# KiCad board Video Board - Memory.kicad_pcb (continued)
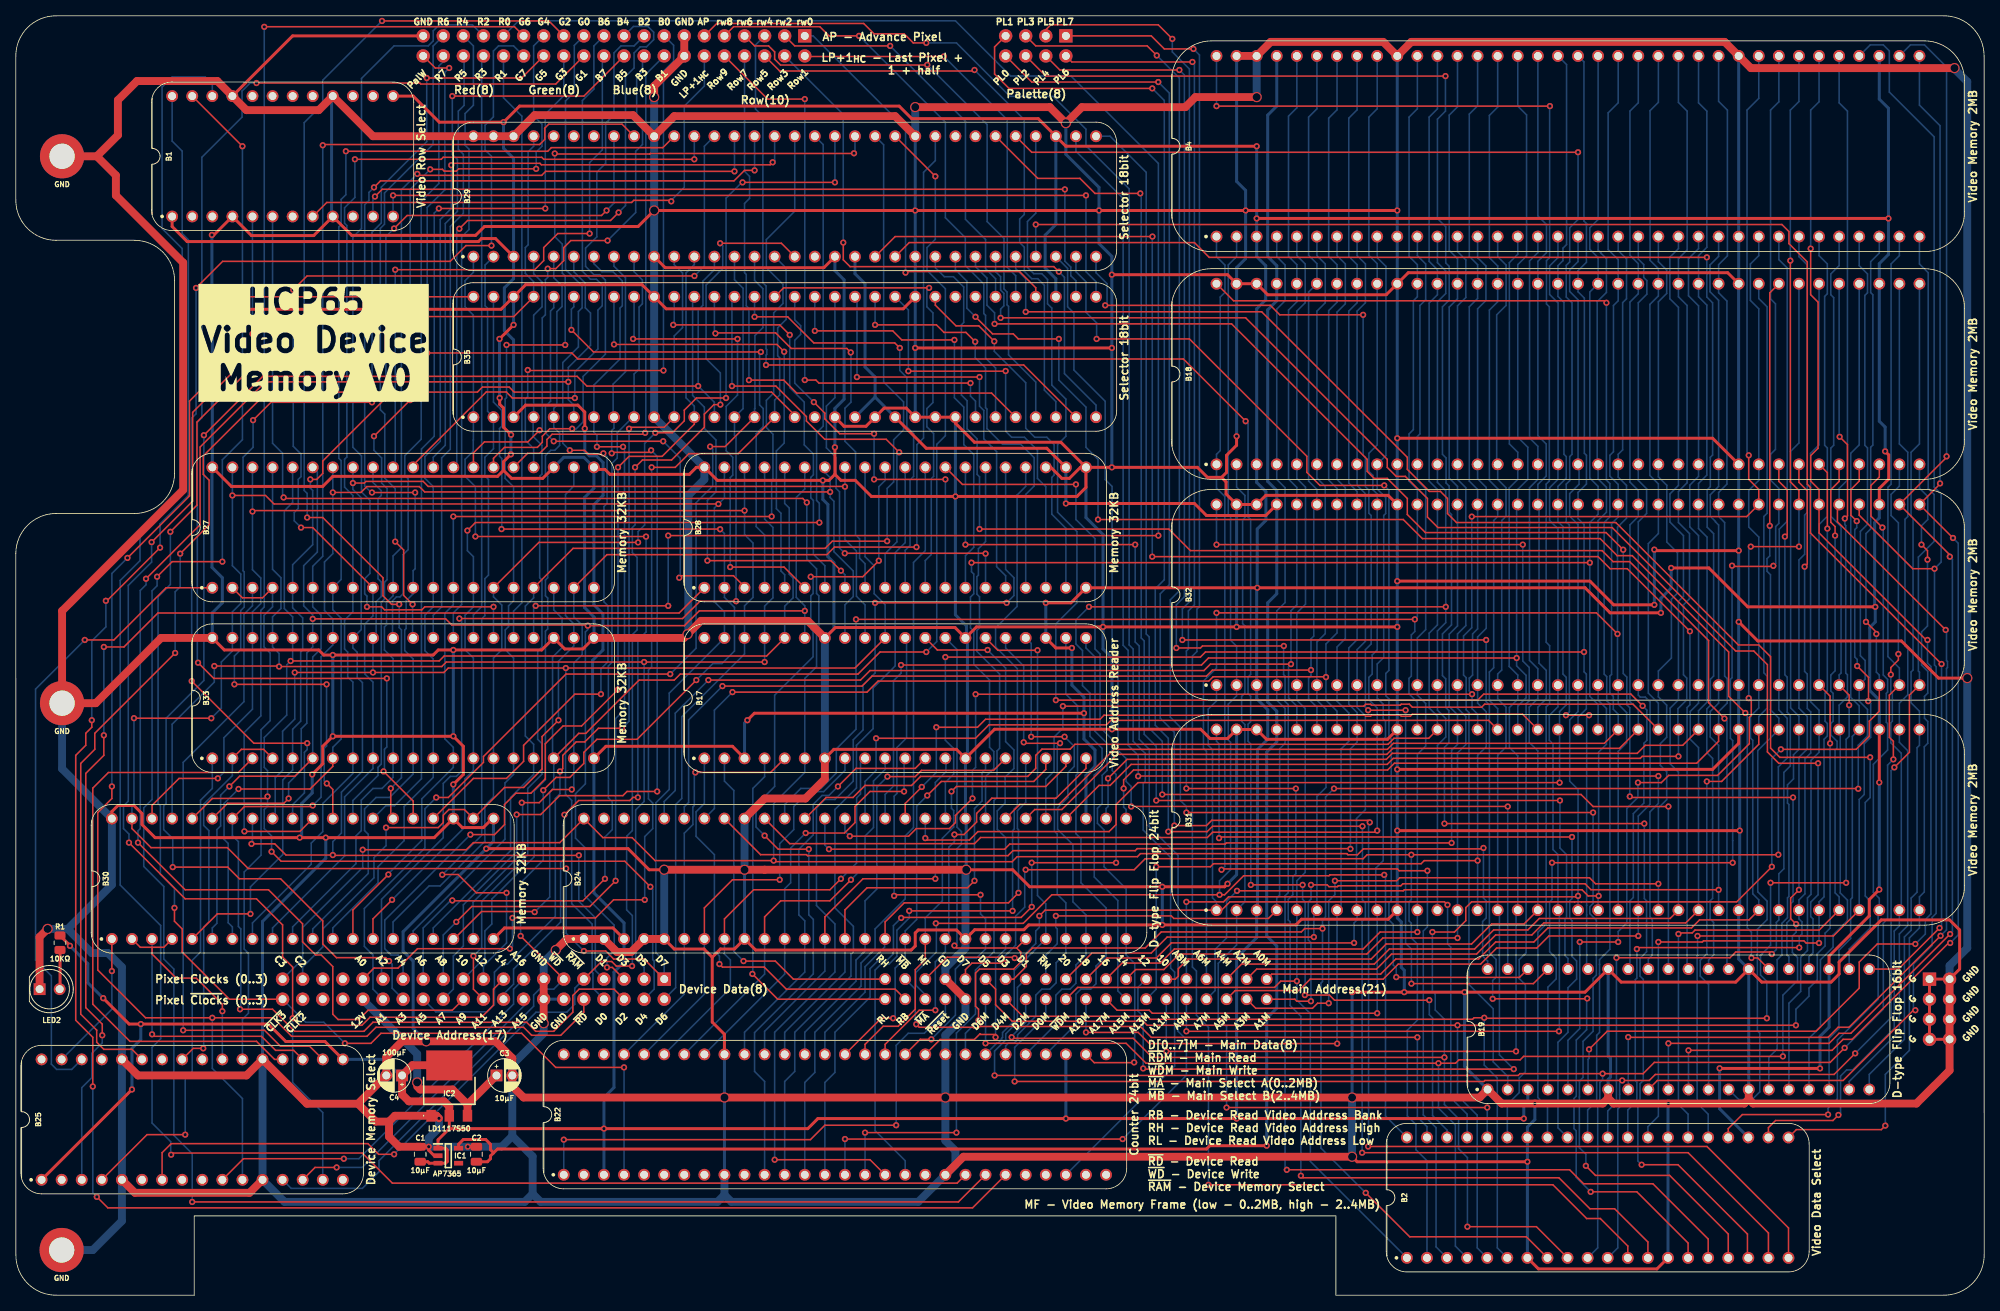
[diagram p0: board, top side]
## Routing (per net, layer and track width the routed paths; a pad name or vN(x,y) marks a point on that pad's centre or on a via; arc(x,y) is an arc through that point) (continued)
/DD6: length 188.1
  Top w0.2: v1(29.93,99.19) 30.04,99.3 v1(92.16,99.3) ; B30.38 17.23,61.99 20.64,65.41 25.54,65.41 v1(25.55,65.41)
  Bottom w0.2: v1(25.55,65.41) 26.32,66.18 26.32,70.56 29.93,74.17 B33.38 29.93,86.49 30.98,87.54 30.98,90.77 29.93,91.82 v1(29.93,99.19) B27.38 ; B28.38 v1(92.16,99.3) 92.16,96.27 93.23,95.19 93.23,88.32 92.16,87.25 B17.38 92.16,81.15 84.22,73.22 84.22,62.88 83.45,62.1 83.45,38.92 J4.2
/DD7: length 269.3
  Top w0.2: B30.39 14.69,59.06 17.1,56.64 26.75,56.64 29.4,54 v1(69.6,54) ; v1(24.72,73.03) v1(14.94,73.03) ; J4.1 79.46,42.55 75.62,42.55 74.6,43.56 v1(71.84,43.56) ; v1(88.85,100.14) 32.66,100.14 31.58,101.22 v1(27.39,101.22)
  Bottom w0.2: B28.39 89.62,100.91 v1(88.85,100.14) 88.35,99.64 88.35,87.76 89.62,86.49 B17.39 82.63,76.2 82.63,64.01 80.95,62.32 80.95,43.34 82,42.29 J4.1 ; B27.39 v1(27.39,101.22) 27.39,92.33 28.45,91.27 28.45,87.55 27.39,86.49 B33.39 27.39,81.53 25.99,80.14 25.99,74.3 v1(24.72,73.03) ; v1(71.84,43.56) 69.6,45.8 v1(69.6,54) ; B30.39 14.69,61.98 14.94,62.23 v1(14.94,73.03)
/DM0: length 251.4
  Top w0.2: v1(232.62,30.61) 229.95,27.94 207.35,27.94 206.59,27.18 v1(203.16,27.18) 185.8,27.18 185.67,27.05 v1(126.32,27.05) ; v1(237.57,66.8) 239.48,68.71 239.48,75.95 B32.36
  Bottom w0.2: B32.36 240.75,78.86 240.62,78.99 240.62,93.42 242.6,95.41 242.6,101.35 241.85,102.1 241.85,129.41 240.75,130.52 B4.36 ; v1(237.57,66.8) 237.16,66.39 237.16,35.15 v1(232.62,30.61) ; v1(126.32,27.05) 126.32,31.37 130.26,35.31 J2.24 ; v1(203.16,27.18) 202.83,26.85 202.83,25.43 202.83,23.8 202.6,23.57 202.6,5.99 B2.11
/DM1: length 254
  Top w0.2: v1(123.78,27.81) 190.01,27.81 190.23,28.04 v1(200.68,28.04) 205.8,28.04 207.22,29.46 229.45,29.46 v1(231.29,31.31) ; v1(237.45,67.82) 237.45,70.1 236.94,70.61 236.94,75.95 B32.35
  Bottom w0.2: v1(200.68,28.04) 200.68,27.27 200.33,26.92 200.33,24.1 200.06,23.83 200.06,5.99 B2.10 ; B32.35 238.21,79.38 236.76,80.83 236.76,102.24 237.16,102.64 237.16,130.52 238.21,131.57 B4.35 ; v1(237.45,67.82) 236.72,67.09 236.72,47.63 236.18,47.08 236.18,36.2 v1(231.29,31.31) ; v1(123.78,27.81) 123.78,30.9 125.19,32.31 125.19,33.08 126.67,34.55 126.67,38.95 J2.25
/DM2: length 254.7
  Top w0.2: v1(222.08,54.23) 217.64,49.78 198.01,49.78 184.11,49.78 183.38,49.06 183.38,47.41 181.94,45.96 v1(179.15,45.96) ; B2.9 192.3,8.67 v1(183.58,8.67) ; v1(235.3,83.69) 235.3,83.9 v1(233.99,85.22) ; B32.34 235.67,73.91 234.4,72.64 234.4,70.74 232.75,69.09 v1(223.22,69.09) ; v1(180.67,30.1) 143.72,30.1 141.31,32.51 126.08,32.51 v1(125.94,32.65)
  Bottom w0.2: v1(223.22,69.09) 222.08,67.95 v1(222.08,54.23) ; v1(179.15,45.96) 179.15,38.46 179.51,38.1 179.51,36.09 180.67,34.93 180.67,24.14 182.46,22.35 182.46,18.54 183.58,17.42 v1(183.58,8.67) ; v1(125.94,32.65) 125.94,32.77 127.72,34.54 J2.26 ; B32.34 235.67,78.49 235.3,78.86 v1(235.3,83.69) ; B4.34 235.67,131.9 234.58,130.81 234.58,126.9 234.86,126.62 234.86,107.59 234.58,107.32 234.58,96.99 233.99,96.39 v1(233.99,85.22)
/DM3: length 263
  Top w0.2: v1(166.71,64.12) 232.98,64.12 v1(233.01,64.09) ; J2.27 126.2,40.01 127.8,41.61 127.8,43.18 128.56,43.94 142.83,43.94 144.86,45.97 162.57,45.97 162.99,46.39 v1(165.25,46.39) ; B2.8 191.04,7.39 176.28,7.39 v1(170.72,12.95)
  Bottom w0.2: v1(166.71,64.12) 165.64,63.05 165.64,47.88 165.25,47.49 v1(165.25,46.39) 165.25,39.69 165.06,39.5 165.06,18.62 v1(170.72,12.95) ; v1(233.01,64.09) 233.01,69.6 234.18,70.77 234.18,74.13 233.13,75.18 B32.33 233.88,77.97 233.88,80.33 233.28,80.94 233.28,96.67 234.18,97.57 234.18,107.23 233.84,107.57 233.84,126.53 234.18,126.87 234.18,129.25 233.13,130.3 B4.33
/DM4: length 240.4
  Top w0.2: J2.28 127.34,35.31 143.09,35.31 143.47,34.93 184.23,34.93 184.42,35.11 v1(185.71,35.11) 185.77,35.05 v1(221.45,35.05) ; B32.32 231.86,75.95 v1(231.86,74.68) ; v1(231.48,52.2) v1(221.92,52.2)
  Bottom w0.2: v1(231.48,52.2) 231.48,70.36 231.86,70.74 v1(231.86,74.68) ; v1(221.92,52.2) 221.92,44.29 220.65,43.02 220.65,40.51 221.45,39.72 v1(221.45,35.05) ; B2.6 187.36,5.99 187.36,27.48 185.71,29.13 v1(185.71,35.11) ; B4.32 230.59,130.3 229.54,129.25 229.54,126.62 229.9,126.25 229.9,107.57 229.54,107.2 229.54,98.59 230.83,97.29 230.83,78.74 230.59,78.5 B32.32
/DM5: length 240.4
  Top w0.2: J2.29 123.91,38.74 123.91,36.76 126,34.67 142.58,34.67 143.09,34.16 v1(182.33,34.16) v1(225.13,34.16) ; v1(229.45,69.84) 229.45,75.82 B32.31
  Bottom w0.2: v1(229.45,69.84) 229.45,46.45 228.81,45.81 228.81,44.2 227.83,43.22 227.83,39.91 226.78,38.86 226.78,37.85 225.13,36.2 v1(225.13,34.16) ; B32.31 228.05,97.54 229.1,98.59 229.1,107.23 228.76,107.57 228.76,126.41 229.1,126.75 229.1,130.52 228.05,131.57 B4.31 ; B2.5 184.82,5.99 184.82,22.78 182.33,25.27 v1(182.33,34.16)
/DM6: length 241.4
  Top w0.2: v1(223.48,30.23) 190.69,30.23 190.25,29.79 182.51,29.79 182.08,29.36 v1(179.92,29.36) 142.94,29.36 140.42,31.88 v1(122.64,31.88) ; v1(225.15,46.96) 225.15,46.96 224.46,47.66 224.46,50.26 v1(225.51,51.31)
  Bottom w0.2: v1(179.92,29.36) 179.92,29.36 179.92,23.68 182.06,21.55 182.06,6.21 B2.4 ; v1(225.15,46.96) 225.15,45.94 224.68,45.47 224.68,43.38 225.33,42.72 225.33,39.83 223.48,37.97 v1(223.48,30.23) ; v1(122.64,31.88) J2.30 ; B4.30 225.51,131.45 226.56,130.4 226.56,99.06 226.22,98.73 226.22,93.77 225.51,93.06 B32.30 225.51,74.3 226.56,73.25 226.56,69.12 225.51,68.07 v1(225.51,51.31)
/DM7: length 248.5
  Top w0.2: v1(222.9,55.75) 222.89,55.74 v1(176.49,55.74) 170.89,55.74 170.39,55.25 142.83,55.25 141.44,53.85 v1(127.71,53.85) ; v1(125.05,42.03) 120.92,42.03 120.1,41.21 J2.31
  Bottom w0.2: v1(125.05,42.03) 125.05,42.9 126.44,44.29 126.44,47.97 127.59,49.12 127.59,53.73 v1(127.71,53.85) ; B4.29 222.97,131.06 224.02,130.01 224.02,97.95 223.02,96.95 223.02,77.27 ; v1(176.49,55.74) 176.49,50.07 176.2,49.78 176.2,47.37 176.49,47.08 176.49,45.21 177.25,44.45 177.25,34.8 175.98,33.53 175.98,22.68 177.07,21.59 177.07,18.42 178.47,17.02 B2.2 ; v1(222.9,55.75) 222.9,66.86 224.02,67.98 224.02,73.02 222.97,74.07 B32.29
/DP0: length 100.8
  Top w0.2: v1(241.77,93.09) 241.77,94.23 v1(241,95) ; B2.21 225.18,20.96 235.92,20.96 v1(236.43,21.46)
  Bottom w0.2: v1(241,95) 241,97.38 241.8,98.17 241.8,101.09 240.75,102.14 B18.36 ; v1(236.43,21.46) 236.43,27.94 239.48,30.99 239.48,45.21 240.75,46.48 B31.36 240.75,50.42 241.36,51.03 241.36,69.41 241.8,69.85 241.8,72.61 241.38,73.03 241.38,75.79 241.8,76.2 241.8,78.96 241.02,79.74 241.02,83.95 241.77,84.7 v1(241.77,93.09)
/DP1: length 98.4
  Top w0.2: v1(238.08,81.15) 238.08,80.39 237.13,79.44 v1(237.13,78.55) ; v1(230.5,22.81) 229.8,22.11 222.55,22.11 221.65,21.21 B2.22
  Bottom w0.2: B18.35 238.21,102.4 237.16,101.35 237.16,98.68 238.08,97.76 v1(238.08,81.15) ; B31.35 238.21,46.74 237.56,46.09 237.56,33.77 232.3,28.51 231.54,28.51 230.77,27.74 230.77,23.07 v1(230.5,22.81) ; v1(237.13,78.55) 237.13,76.33 237.32,76.14 237.32,72.64 237.13,72.45 237.13,69.91 238.45,68.59 238.45,48.98
/DP2: length 101.7
  Top w0.2: v1(229.19,22.86) 218.35,22.86 216.57,21.08 B2.24 ; v1(236.06,97.16) 234.62,98.6 234.62,102.49 235.67,103.54 B18.34
  Bottom w0.2: v1(229.19,22.86) 229.19,23.67 230.37,24.85 230.37,32.29 235.52,37.45 235.52,48.59 ; B31.34 235.67,50.23 234.92,50.98 234.92,67.2 236.72,69 236.72,72.36 236.56,72.52 236.56,76.17 236.72,76.33 236.72,77.94 236.17,78.49 236.17,97.04 v1(236.06,97.16)
/DP3: length 106.6
  Top w0.2: B31.33 229.86,45.47 v1(212.68,45.47) ; v1(232.88,79.63) 234.31,78.2 234.31,75.22 v1(234.27,75.18) ; v1(232.82,97.97) 232.08,98.71 232.08,101.98 233.13,103.03 B18.33
  Bottom w0.2: B2.25 214.03,22.91 212.63,24.31 212.63,42.93 212.68,42.98 v1(212.68,45.47) ; B31.33 233.13,62.74 233.76,63.37 233.76,69.79 234.58,70.61 234.58,74.88 v1(234.27,75.18) ; v1(232.88,79.63) 232.88,80.47 232.57,80.77 232.57,96.9 232.82,97.15 v1(232.82,97.97)
/DP4: length 106
  Top w0.2: B31.32 228.07,46.21 212.37,46.21 212,45.85 210.4,45.85 v1(210.27,45.72) ; B18.32 230.59,103 229.54,101.95 229.54,97.82 230.08,97.28 v1(230.08,96.14)
  Bottom w0.2: v1(230.08,96.14) 230.08,79.03 229.54,78.49 229.54,76.47 229.83,76.18 229.83,72.64 229.54,72.36 229.54,70.9 230.33,70.11 230.33,69.21 230.08,68.97 230.08,50.93 230.59,50.42 B31.32 ; v1(210.27,45.72) 210.27,24.13 211.49,22.91 B2.26
/DP5: length 107.5
  Top w0.2: v1(228.05,44.58) 226.41,44.58 226.14,44.84 213.43,44.84 213.29,44.7 v1(207.73,44.7) ; B18.31 229.1,104.11 v1(229.1,97.03)
  Bottom w0.2: v1(207.73,44.7) 207.73,22.66 206.41,21.34 B2.28 ; v1(229.1,97.03) 229.1,76.49 228.81,76.2 228.81,72.64 229.1,72.36 229.1,70.77 228.68,70.35 228.68,50.41 228.05,49.78 B31.31 v1(228.05,44.58)
/DP6: length 108.1
  Top w0.2: v1(225.54,44) 205.19,44 v1(205.01,43.82) ; B18.30 225.51,102.87 226.56,101.82 226.56,92.54 v1(226.23,92.2)
  Bottom w0.2: v1(205.01,43.82) 205.01,40.13 204.81,39.93 204.81,27.18 205.01,26.98 205.01,24.59 203.87,23.44 B2.29 ; v1(226.23,92.2) 226.23,78.95 226.56,78.61 226.56,74.26 227,73.82 227,68.62 226.27,67.89 226.27,50.8 225.51,50.04 B31.30 225.51,47.63 225.89,47.24 225.89,45.72 225.54,45.37 v1(225.54,44)
/DP7: length 107
  Top w0.2: v1(202.43,42.71) 216.78,42.71 217.51,43.43 221.83,43.43 v1(222.08,43.18) ; B18.29 222.97,103 224.02,101.95 224.02,96.3 v1(223.73,96.01)
  Bottom w0.2: v1(222.08,43.18) 222.65,43.75 222.65,47.18 222.97,47.5 B31.29 222.97,53.34 223.6,53.98 223.6,66.17 224.42,66.98 224.42,73.39 224.02,73.79 224.02,78.23 223.73,78.52 v1(223.73,96.01) ; B2.30 201.33,23.32 202.43,24.42 v1(202.43,42.71)
/D~{RD}: length 214.7
  Top w0.2: B35.64 25.43,126.37 23.27,124.21 23.27,114.47 21.97,113.16 21.97,101.16 v1(14.12,93.31) ; J4.10 71.84,35.81 68.92,32.89 65.24,32.89 64.22,33.91 45.55,33.91 44.41,32.77 34.88,32.77 32.54,35.11 v1(24.85,35.11) 16.41,35.11 10.37,41.15 10.37,61.09 12.15,62.86 v1(12.15,64.39)
  Bottom w0.2: v1(12.15,64.39) 12.15,91.34 v1(14.12,93.31) ; B25.11 28.66,24.89 24.85,28.7 v1(24.85,35.11)
/D~{RD}+~{Device RAM 1}: length 76
  Top w0.2: B25.20 32.72,29.85 30.44,32.13 14.44,32.13 9.74,36.83 9.74,64.18 11.71,66.16 28.14,66.16 B33.3
/D~{RD}+~{Device RAM 2}: length 32.4
  Top w0.2: B25.19 35.14,30.99 32.85,30.99 31.07,32.77 17.48,32.77 v1(17.23,33.02)
  Bottom w0.2: B30.3 v1(17.23,33.02)
/D~{RD}+~{Device RAM 3}: length 78.8
  Top w0.2: v1(21.17,33.53) 31.45,33.53 33.47,31.52 37.15,31.52 B25.18
  Bottom w0.2: B27.3 29.93,87.26 28.85,86.18 28.85,75.12 21.17,67.44 v1(21.17,33.53)
/D~{WD}: length 182.2
  Top w0.2: v1(66.71,63.91) 68.33,65.53 70.06,65.53 71.84,67.31 71.84,68.71 73.49,70.36 78.57,70.36 v1(86.06,77.85) ; J4.11 v1(63.84,45.47) ; v1(89.07,96.94) 89.05,96.96 v1(61.43,96.96)
  Bottom w0.2: v1(86.06,77.85) 88.16,79.95 89.3,79.95 90.89,81.53 90.89,87.05 89.62,88.32 B28.2 89.62,96.4 v1(89.07,96.94) ; v1(63.84,45.47) 63.84,52.2 66.71,55.07 v1(66.71,63.91) ; v1(61.43,96.96) 61.46,97 61.46,105.88 61.17,106.17 61.17,109.69 61.46,109.98 61.46,111.98 60.41,113.03 B35.63 ; J4.11 68.03,38.74 66.23,38.74 65.49,37.99 65.49,36.58 45.93,17.02 45.93,15.62 43.83,13.52 34.82,13.52 B25.13
/D~{WD}+~{Device RAM 1}: length 48
  Top w0.2: B33.2 28.53,69.09 31.33,69.09 B33.4 ; B25.25 22.44,31.24 v1(23.71,31.24)
  Bottom w0.2: B33.2 27.39,65.76 23.76,62.13 23.76,59.46 24.42,58.8 24.42,47.27 23.76,46.61 23.76,31.3 v1(23.71,31.24)
/D~{WD}+~{Device RAM 2}: length 25.3
  Top w0.2: 17.23,44.04 18.72,44.04 B30.4 ; 17.23,44.04 17.23,43.18 20.28,40.13 22.82,40.13 26.12,36.83 v1(26.12,35.94) ; 17.23,44.04 15.74,44.04 B30.2
  Bottom w0.2: B25.23 v1(26.12,35.94)
/D~{WD}+~{Device RAM 3}: length 68.5
  Top w0.2: B27.4 31.2,88.27 28.66,88.27 B27.2
  Bottom w0.2: B27.4 32.47,87.12 31.39,86.04 31.39,82.06 32.16,81.28 32.16,72.72 31.01,71.57 31.01,55.69 28.88,53.56 28.88,43.82 29.42,43.27 29.42,35.69 28.66,34.93 B25.22
/Green0: length 120.5
  Top w0.2: v1(70.06,106.93) 71.92,106.93 72.42,106.43 74.18,106.43 v1(74.3,106.55) ; v1(74,76.07) 70.7,76.07 64.22,69.6 64.22,67.57 62.06,65.41 57.87,65.41 B30.24
  Bottom w0.2: J3.23 70.63,158.17 70.63,152.27 69.52,151.15 69.52,129.83 71.62,127.73 71.62,124.97 71.15,124.5 71.15,120.02 69.17,118.04 69.17,107.82 v1(70.06,106.93) ; v1(74,76.07) 74,79.27 74.89,80.16 74.89,87.25 74.38,87.76 74.38,99.81 74.77,100.2 74.77,106.08 v1(74.3,106.55)
/Green1: length 164.1
  Top w0.2: v1(46.5,66.29) 50.25,62.55 B30.25 ; v1(30.44,153.42) 51.09,153.42 51.21,153.29 68.28,153.29 J3.24 ; v1(23.05,80.05) 25.03,78.06 v1(46.92,78.06)
  Bottom w0.2: v1(46.5,66.29) 46.62,66.41 46.62,69.09 46.92,69.39 v1(46.92,78.06) ; v1(23.05,80.05) 22.96,80.14 22.96,110.49 23.53,111.06 23.53,144.02 28.61,149.1 28.61,152.4 29.62,153.42 v1(30.44,153.42)
/Green2: length 135.9
  Top w0.2: v1(47.42,64.14) 47.42,60.61 ; J3.25 67.41,161.28 v1(46.31,161.28) ; v1(36.84,98.43) 38.82,98.43 46.44,90.81 46.44,88.52 47.52,87.44 v1(48.48,87.44)
  Bottom w0.2: v1(36.84,98.43) 36.84,101.48 36.47,101.85 36.47,148.4 38.82,150.75 38.82,153.78 v1(46.31,161.28) ; v1(47.42,64.14) 48.77,65.49 48.77,84.2 48.48,84.49 v1(48.48,87.44)
/Green3: length 115
  Top w0.2: v1(66.96,137.54) v1(53.5,137.54)
  Bottom w0.2: J3.26 69.3,151.82 66.96,149.48 v1(66.96,137.54) ; v1(53.5,137.54) 52.92,136.96 52.92,108.71 51.3,107.1 51.3,65.36 47.89,61.95 46.79,61.95 B30.27
/Green4: length 119.3
  Top w0.2: v1(52.41,142.49) 53.96,142.49 54.19,142.26 55.71,142.26 56,142.56 v1(65.81,142.56) ; v1(49.87,113.28) v1(45.3,108.71)
  Bottom w0.2: v1(65.81,142.56) 65.81,144.68 66.54,145.42 66.54,148.21 65.49,149.26 65.49,158.12 J3.27 ; B30.28 42.63,62.61 45.8,65.79 45.8,66.8 46.22,67.22 46.22,87.7 46.62,88.1 46.62,90.22 46.95,90.55 46.95,102.11 46.26,102.8 46.26,105.97 45.3,106.93 v1(45.3,108.71) ; v1(49.87,113.28) 49.87,139.95 v1(52.41,142.49)
/Green5: length 139.6
  Top w0.2: v1(30.01,110.74) 32.27,113.01 v1(45.05,113.01) ; J3.28 63.97,154.05 v1(51.97,154.05) ; v1(39.33,64.77) 40.09,64.01 B30.29 ; v1(39.3,77.31) v1(27.64,77.31)
  Bottom w0.2: v1(27.64,77.31) 27.64,80.9 28.44,81.7 28.44,86.65 28.88,87.09 28.88,91.55 28.74,91.69 28.74,106.05 30.01,107.32 v1(30.01,110.74) ; v1(39.33,64.77) 39,65.1 39,69.22 39.3,69.52 v1(39.3,77.31) ; v1(45.05,113.01) 45.05,134.53 46.22,135.71 46.22,140.24 51.97,145.99 v1(51.97,154.05)
/Green6: length 145.5
  Top w0.2: v1(28.91,58.7) 35.93,58.7 B30.30 ; v1(31.42,160.53) 31.43,160.54 63.06,160.54 J3.29
  Bottom w0.2: v1(28.91,58.7) 28.87,58.74 28.87,71.21 30.99,73.32 30.99,86.67 31.42,87.1 v1(31.42,160.53)
/Green7: length 147.7
  Top w0.2: v1(22.79,127.48) 26.16,130.85 54.94,130.85 56.93,132.84 v1(60.16,132.84) ; v1(36.85,69.86) 30.1,69.86 v1(22.24,77.72)
  Bottom w0.2: B30.31 35.01,62.08 36.5,63.57 36.5,68.71 36.85,69.06 v1(36.85,69.86) ; J3.30 62.95,158.12 61.04,158.12 60.4,157.47 60.4,149.14 59.34,148.08 59.34,144.96 60.16,144.15 v1(60.16,132.84) ; v1(22.24,77.72) 22.24,111 22.79,111.55 v1(22.79,127.48)
/LA0: length 103.7
  Top w0.2: v1(135.34,139.19) v1(47.71,139.19)
  Bottom w0.2: B35.33 136.61,128.27 135.34,129.54 v1(135.34,139.19) ; v1(47.71,139.19) B1.12
/LA1: length 104.4
  Top w0.2: v1(132.67,139.95) 132.65,139.97 46.34,139.97 v1(45.42,139.05)
  Bottom w0.2: B1.11 45.17,138.8 v1(45.42,139.05) ; v1(132.67,139.95) 132.67,130.87 133.42,130.12 133.42,129.03 134.07,128.38 B35.34
/Last Pixel+1 _{HALF CYCLE}: length 66.4
  Top w0.2: B1.8 39.33,138.3 77.88,138.3 78.15,138.57 82.77,138.57 v1(82.89,138.44)
  Bottom w0.2: v1(82.89,138.44) 82.89,138.57 84.54,140.22 84.54,150.5 87.08,153.04 J3.12
/Load Address Bank: length 254.3
  Top w0.2: v1(19.64,17.78) 19.85,17.99 43.81,17.99 47.62,14.19 119.05,14.19 120.1,15.24
  Bottom w0.2: B1.22 24.85,153.29 23.96,154.18 19.77,154.18 18.5,152.91 18.5,135 21.04,132.46 21.04,101.53 15.71,96.19 15.71,92.96 13.2,90.46 13.2,51.91 18.32,46.79 18.32,32.46 17.23,31.37 17.23,21.79 19.59,19.43 19.59,17.83 v1(19.64,17.78)
/Load Address High: length 255.8
  Top w0.2: 122.64,15.24 119.2,11.8 v1(22.31,11.8) ; v1(17.86,90.93) 19.77,92.84 v1(26.12,92.84) ; v1(28.66,145.42) B1.23
  Bottom w0.2: v1(28.66,145.42) 28.66,108.27 26.12,105.73 v1(26.12,92.84) ; v1(22.31,11.8) 22.31,17.91 19.99,20.23 19.99,41.28 18.72,42.55 18.72,51.72 16.18,54.26 16.18,61.69 17.23,62.74 17.23,89.15 17.86,89.79 v1(17.86,90.93)
/Load Address Low: length 264.5
  Top w0.2: v1(18.25,94.62) 11.52,87.88 v1(11.39,87.88) ; v1(10.24,12.45) 11.64,11.05 120.99,11.05 125.18,15.24 ; v1(9.61,72.77) 9.61,71.88 8.85,71.12 8.85,69.6 7.58,68.33 7.58,34.8 9.74,32.64 v1(9.74,26.42)
  Bottom w0.2: v1(11.39,87.88) 11.39,84.58 9.61,82.8 v1(9.61,72.77) ; B1.24 19.77,146.07 21.04,144.8 21.04,134.37 21.82,133.59 21.82,101.21 18.25,97.64 v1(18.25,94.62) ; v1(9.74,26.42) 9.74,12.95 v1(10.24,12.45)
/Memory Frame: length 131.3
  Top w0.2: B31.1 130.17,48.73 v1(129.45,48.01) ; v1(126.32,42.67) 126.22,42.78 117.79,42.78 J2.35 ; v1(181.06,49.4) 180.68,49.78 153.54,49.78 152.49,48.73
  Bottom w0.2: B31.1 151.85,49.78 151.34,50.29 151.34,69.05 150.8,69.6 150.8,74.17 151.85,75.22 B32.1 ; B2.37 183.55,22.91 181.48,24.98 181.48,44.04 181.07,44.45 181.07,49.39 v1(181.06,49.4) ; v1(126.32,42.67) 127.15,42.67 128.99,44.51 128.99,46.1 129.45,46.56 v1(129.45,48.01)
/M~{RD}: length 125
  Top w0.2: B31.4 158.42,47.68 146.45,47.68 146.13,48.01 v1(131.53,48.01)
  Bottom w0.2: B4.4 159.47,131.45 160.52,130.39 160.52,125.86 159.47,124.8 B18.4 159.47,103.25 160.52,102.2 160.52,87.67 159.47,86.61 B32.4 159.47,75.31 160.52,74.26 160.52,69.85 159.83,69.16 159.83,50.64 159.47,50.28 B31.4 ; v1(131.53,48.01) 131.53,46.54 131.71,46.36 131.71,44.48 130.26,43.03 J2.23
/M~{WD}: length 167.8
  Top w0.2: v1(162.01,39.75) 159.98,39.75 159.18,38.95 134.29,38.95 J2.22
  Bottom w0.2: B4.5 162.01,131.57 163.06,130.52 163.06,125.6 162.01,124.55 B18.5 162.01,103.37 163.1,102.27 163.1,87.46 162.01,86.36 B32.5 162.01,75.31 163.06,74.26 163.06,53.5 162.01,52.45 B31.5 v1(162.01,39.75) 162.01,37.35 163.72,35.64 163.72,16.93 B2.1
/Palette0: length 151.8
  Top w0.2: v1(70.31,64) 67.86,64 66.19,62.33 v1(63.99,62.33) ; v1(113.9,94.68) 103.53,94.68 102.57,93.73 74.76,93.73 B27.19
  Bottom w0.2: v1(113.9,94.68) 113.96,94.74 113.96,107.65 114.8,108.49 114.8,142.11 116.29,143.6 B29.41 ; v1(70.31,64) 70.57,64.26 B33.19 70.57,80.01 71.63,81.07 71.63,84.8 70.57,85.85 B27.19 ; v1(63.99,62.33) 64.09,62.23 64.09,56.01 57.82,49.74 57.82,45.13
/Palette1: length 176.9
  Top w0.2: 55.43,45.09 58.9,48.56 65.55,48.56 v1(65.62,48.49) ; B29.43 v1(116.29,141.61) ; v1(115.15,81.41) 109.3,81.41 106.51,78.61 84.03,78.61 83.27,77.85 78.82,77.85 72.08,71.11 71.19,71.11 B33.18
  Bottom w0.2: B33.18 68.03,64.17 67.52,63.66 67.52,50.4 v1(65.62,48.49) ; v1(115.15,81.41) 116.47,82.73 116.47,107.69 117.56,108.78 117.56,127.38 115.24,129.7 115.24,132.59 116.29,133.64 v1(116.29,141.61) ; B27.18 68.03,86.74 69.08,85.69 69.08,81.95 67.88,80.75 67.88,68.1
/Palette2: length 151.3
  Top w0.2: v1(110.19,95.43) 103.26,95.43 102.36,94.52 70.48,94.52 B27.17
  Bottom w0.2: B27.17 65.49,88.27 64.44,87.21 64.44,70.77 65.49,69.72 B33.17 65.49,65.91 62.57,62.99 62.57,56.26 52.79,46.48 B30.17 ; B29.44 109.75,145.6 109.75,115.58 112.27,113.06 112.27,109.52 111.02,108.27 111.02,102.93 110.19,102.11 v1(110.19,95.43)
/Palette3: length 154.2
  Top w0.2: v1(106,144.53) 105.98,144.5 80.24,144.5 80.18,144.44 68.22,144.44 v1(68.16,144.5) ; v1(69.48,120.27) v1(62.06,120.27)
  Bottom w0.2: v1(106,144.53) 106.13,144.65 B29.45 ; v1(69.48,120.27) 69.48,128.98 69.12,129.34 69.12,133.02 68.16,133.99 v1(68.16,144.5) ; B30.16 50.25,46.1 61.86,57.72 61.86,64.83 62.95,65.91 B33.16 62.95,80.65 61.9,81.7 61.9,84.2 62.31,84.62 62.31,87.25 62.95,87.88 B27.16 62.95,102.31 61.88,103.38 61.88,113.42 62.06,113.6 v1(62.06,120.27)
/Palette4: length 144.1
  Top w0.2: v1(89.82,113.55) 86.08,113.55 84.54,112.01 84.54,110.66 83.03,109.15 v1(80.88,109.15) ; v1(78.7,95.27) 66.15,95.27 B27.15 ; v1(103.59,140.84) v1(91.91,140.84)
  Bottom w0.2: v1(78.7,95.27) 78.7,96.65 79.52,97.47 79.52,107.8 v1(80.88,109.15) ; B27.15 60.41,88.39 61.46,87.34 61.46,81.7 60.41,80.65 B33.15 60.41,63.06 59.32,61.98 59.32,57.46 53.66,51.8 52.26,51.8 47.71,47.24 B30.15 ; v1(91.91,140.84) 91.82,140.84 89.82,138.84 v1(89.82,113.55) ; B29.46 v1(103.59,140.84)
/Palette5: length 152.9
  Top w0.2: v1(47.58,50.04) 45.17,47.63 B30.14 ; v1(101.62,97.79) 58.12,97.79 v1(57.11,96.77)
  Bottom w0.2: v1(57.11,96.77) 57.11,94.23 57.87,93.47 B27.14 57.87,87.12 56.81,86.07 56.81,81.7 57.87,80.65 B33.14 57.87,66.42 56.78,65.33 56.78,59.24 v1(47.58,50.04) ; B29.47 102.11,145.63 102.11,109.98 101.27,109.15 101.27,100.58 101.62,100.23 v1(101.62,97.79)
/Palette6: length 151.6
  Top w0.2: B30.13 42.63,48.76 v1(47.12,53.25) ; v1(95.59,98.55) v1(55.33,98.55)
  Bottom w0.2: v1(47.12,53.25) 47.12,53.34 51.34,57.56 51.34,62.81 55.33,66.8 B33.13 55.33,69.34 54.26,70.41 54.26,86.31 55.33,87.38 B27.13 v1(55.33,98.55) ; v1(95.59,98.55) 95.59,103.09 95.75,103.25 95.75,108.98 94.92,109.81 94.92,113.25 95.85,114.18 95.85,124.34 97.02,125.51 97.02,127.95 94.92,130.05 94.92,133.6 98.51,137.2 B29.48
/Palette7: length 150.2
  Top w0.2: v1(55.08,143.01) 55.32,143.26 66.28,143.26 66.47,143.06 95.4,143.06 v1(95.72,143.38)
  Bottom w0.2: B30.12 40.09,46.48 45.81,52.2 45.81,54.24 49.11,57.53 49.11,61.85 52.79,65.53 B33.12 52.79,80.52 51.74,81.57 51.74,86.07 52.79,87.12 B27.12 52.79,102.34 51.74,103.4 51.74,106.14 53.68,108.08 53.68,136.14 55.08,137.54 v1(55.08,143.01) ; B29.49 95.97,143.64 v1(95.72,143.38)
/Palette8: length 162.5
  Top w0.2: v1(45.3,140.21) 46.12,141.03 90.82,141.03 92.16,142.36 v1(93.43,142.36) ; v1(45.04,101.59) v1(50.5,101.59)
  Bottom w0.2: v1(45.3,140.21) 44.66,139.57 44.66,138.56 44.12,138.02 44.12,102.42 44.95,101.59 v1(45.04,101.59) ; B30.11 37.55,46.36 44.57,53.38 44.57,58.33 44.1,58.8 44.1,61.55 45.55,62.99 47.27,62.99 50.25,65.97 B33.11 50.25,80.52 49.18,81.58 49.18,84.2 49.36,84.38 49.36,87.88 50.25,88.77 B27.11 50.25,91.69 50.5,91.95 v1(50.5,101.59) ; B29.50 v1(93.43,142.36)
/Palette9: length 149.8
  Top w0.2: v1(90.89,142.24) 67.01,142.24 66.51,141.73 50.96,141.73 v1(50.77,141.92)
  Bottom w0.2: B30.10 35.01,46.61 43.01,54.61 43.01,58.12 43.69,58.8 43.69,62.66 45.17,64.14 46.31,64.14 47.71,65.53 B33.10 47.71,80.57 46.62,81.66 46.62,84.58 46.88,84.85 46.88,87.69 47.71,88.52 B27.10 47.71,93.56 48.76,94.62 48.76,139.91 v1(50.77,141.92) ; B29.51 v1(90.89,142.24)
/Palette10: length 164.2
  Top w0.2: v1(36.07,97.16) 37.55,97.16 B27.9 ; v1(35.09,127.25) 36.83,129 v1(85.83,129)
  Bottom w0.2: B27.9 45.17,85.98 44.12,84.93 44.12,78.65 45.17,77.6 B33.9 45.17,66.66 41.58,63.07 41.58,55.59 32.47,46.48 B30.9 ; v1(36.07,97.16) 35.21,98.01 35.21,99.06 35.72,99.57 35.72,103.25 36.07,103.6 36.07,106.46 35.09,107.44 v1(35.09,127.25) ; B29.52 87.08,145.42 87.08,130.25 v1(85.83,129)
/Palette11: length 152.1
  Top w0.2: v1(42.88,143.76) 53.81,143.76 54.06,144.02 66.51,144.02 66.76,143.76 v1(85.81,143.76)
  Bottom w0.2: v1(42.88,143.76) 42.88,138.94 41.58,137.63 41.58,135.67 41.87,135.38 41.87,106.08 41.58,105.79 41.58,102.27 42.63,101.22 B27.8 42.63,86.49 41.58,85.44 41.58,81.79 41.97,81.4 41.97,78.26 42.63,77.6 B33.8 42.63,66.04 38.82,62.23 38.82,58.67 37.36,57.21 37.36,54.55 29.93,47.12 B30.8 ; B29.53 v1(85.81,143.76)
/Palette12: length 155.2
  Top w0.2: B29.54 81.82,145.24 67.72,145.24 67.27,144.78 v1(41.74,144.78) ; v1(28.17,64.07) 37.23,64.07 40.09,66.93 B33.7
  Bottom w0.2: B33.7 40.09,69.34 41.14,70.39 41.14,85.69 40.09,86.74 B27.7 41.14,90.59 41.14,105.63 40.85,105.92 40.85,135.22 41.14,135.51 41.14,138.68 41.74,139.28 v1(41.74,144.78) ; B30.7 27.39,46.61 26.86,47.14 26.86,57.18 26.34,57.7 26.34,62.23 v1(28.17,64.07)
/Palette13: length 153.1
  Top w0.2: v1(38.82,145.54) 38.91,145.64 66.25,145.64 66.89,146.27 66.89,147.7 67.39,148.21 76.67,148.21 B29.56 ; v1(27.01,64.39) 28.3,65.68 35.29,65.68 B33.6
  Bottom w0.2: 37.55,67.95 37.55,80.77 38.6,81.82 38.6,86.07 37.55,87.12 B27.6 37.55,92.25 38.82,93.52 v1(38.82,145.54) ; v1(27.01,64.39) 25.9,63.28 25.9,59.4 25.43,58.93 25.43,47.07 24.85,46.48 B30.6
/Palette14: length 142.3
  Top w0.2: v1(29.68,48.26) 25.48,48.26 B30.5 ; v1(74.71,137.29) 74.07,136.65 49.49,136.65 v1(47.84,135) ; v1(37.24,103.25) 38.06,103.25 38.82,104.01 38.82,105.58 v1(46.8,113.56)
  Bottom w0.2: 35.01,89.53 35.01,87 36.28,85.73 36.28,81.66 36.03,81.41 36.03,72.64 35.01,71.63 B33.5 35.01,66.46 33.76,65.21 33.76,55.77 29.68,51.69 v1(29.68,48.26) ; v1(37.24,103.25) 37.24,102.15 37.54,101.85 37.54,94.99 35.01,92.46 B27.5 ; v1(46.8,113.56) 46.8,133.96 v1(47.84,135) ; v1(74.71,137.29) 75.65,138.23 B29.57
/Palette Write: length 262.7
  Top w0.2: J3.40 53.04,155.32 v1(54.81,155.32) ; v1(178.76,37.34) 166.77,37.34 166.13,37.99 v1(163.03,37.99) ; v1(52.03,119.25) 70.32,119.25 71.08,118.49 147.66,118.49 v1(155.53,110.62) ; v1(162.74,51.93) v1(156.19,51.93)
  Bottom w0.2: v1(54.81,155.32) 54.26,154.77 54.26,139.9 52.03,137.67 v1(52.03,119.25) ; v1(178.76,37.34) 178.76,35.5 179.17,35.09 179.17,22.73 181.01,20.9 B2.38 ; v1(163.03,37.99) 163.06,38.02 163.06,49.78 162.74,50.11 v1(162.74,51.93) ; v1(156.19,51.93) 156.19,69.75 155.84,70.1 155.84,72.26 156.17,72.59 156.17,75.82 155.84,76.15 155.84,78.23 156.17,78.56 156.17,98.17 155.84,98.5 155.84,110.31 v1(155.53,110.62)
